# KiCad board OpenPLC_Hardware.kicad_pcb (continued)
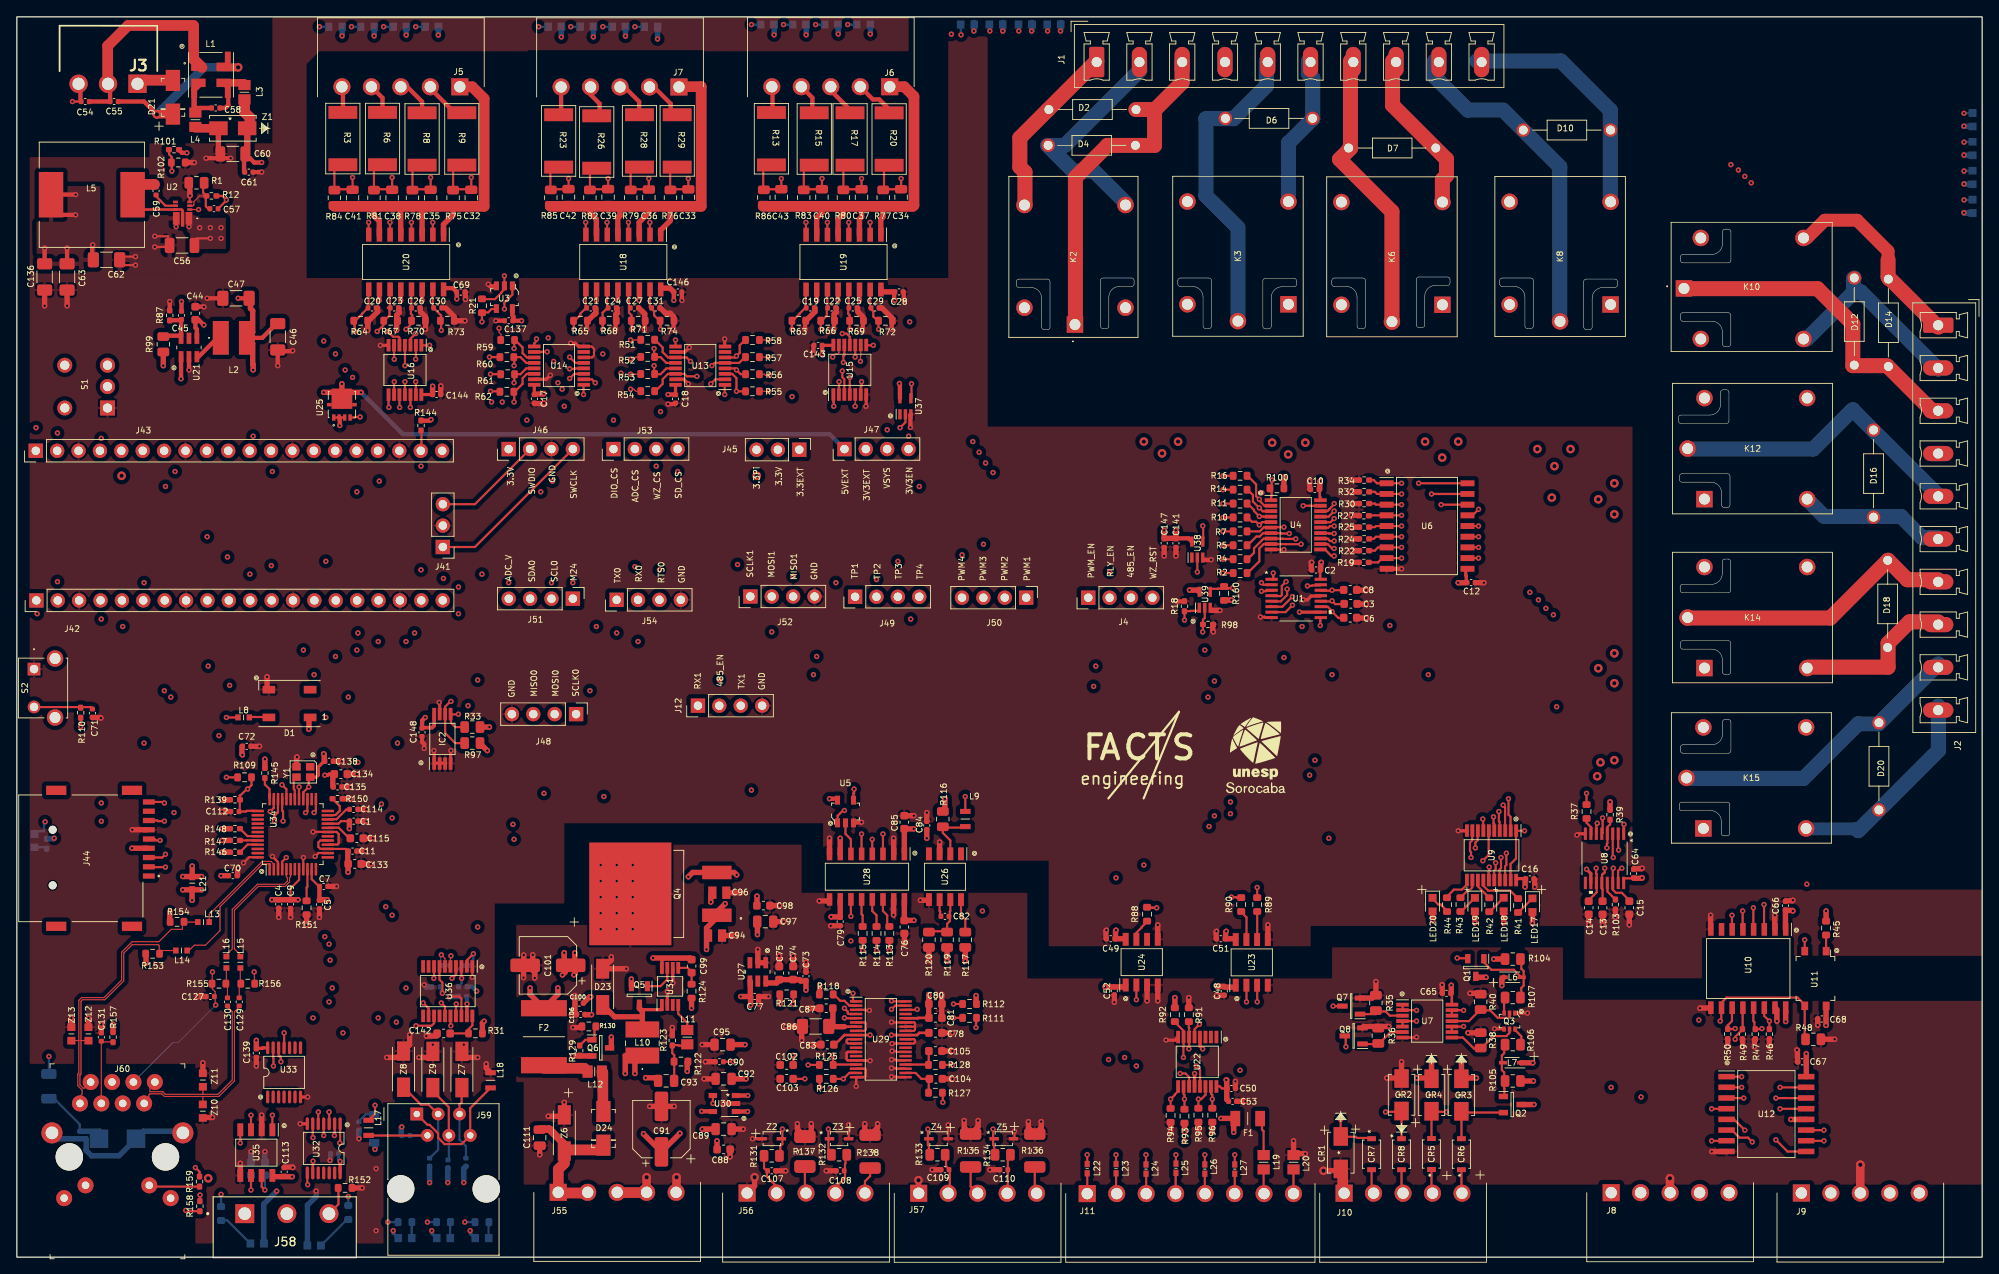
[diagram p0: board, top side]
## Placement (name value [footprint] x y rotation side) (continued)
R27  RC0402FR-0710KL  [R_0402_1005Metric_Pad0.72x0.64mm_HandSolder]  159.99 88.06 180 top
R28  CRM2512-JW-302ELF  [WF25P302JTL]  73.95 132.71 270 top
R29  CRM2512-JW-302ELF  [WF25P302JTL]  78.43 132.71 270 top
R30  RC0402FR-0710KL  [R_0402_1005Metric_Pad0.72x0.64mm_HandSolder]  160.02 89.51 180 top
R31  ERA-3AEB104V  [R_0603_1608Metric]  54.47 26.58 180 top
R32  RC0402FR-0710KL  [R_0402_1005Metric_Pad0.72x0.64mm_HandSolder]  160.02 90.9 180 top
R33  RR1220P-4751-D-M  [R_0805_2012Metric]  54.1 62.96 180 top
R34  RC0402FR-0710KL  [R_0402_1005Metric_Pad0.72x0.64mm_HandSolder]  160.02 92.3 180 top
R35  RC0805JR-071K2L  [R_0805_2012Metric]  161.41 30.2 270 top
R36  RC0805JR-071K2L  [R_0805_2012Metric]  161.7 26.3 270 top
R37  RC0603JR-070RL  [R_0603_1608Metric]  186.43 52.93 90 top
R38  RC0805JR-071K2L  [R_0805_2012Metric]  173.86 25.75 270 top
R39  RC0402FR-0710KL  [R_0402_1005Metric_Pad0.72x0.64mm_HandSolder]  189.23 52.55 270 top
R40  RC0805JR-071K2L  [R_0805_2012Metric]  173.86 30.32 270 top
R41  ERJ-3GEYJ471V  [R_0603_1608Metric]  178.3 41.77 90 top
R42  ERJ-3GEYJ471V  [R_0603_1608Metric]  174.88 41.86 90 top
R43  ERJ-3GEYJ471V  [R_0603_1608Metric]  171.46 41.88 90 top
R44  ERJ-3GEYJ471V  [R_0603_1608Metric]  169.86 41.87 90 top
R45  ERJ-3EKF6650V  [R_0603_1608Metric]  214.88 39.09 270 top
R46  RC0402FR-0710KL  [R_0402_1005Metric_Pad0.72x0.64mm_HandSolder]  208.15 26.49 90 top
R47  RC0402FR-0710KL  [R_0402_1005Metric_Pad0.72x0.64mm_HandSolder]  206.47 26.49 90 top
R48  ERJ-6ENF5761V  [R_0805_2012Metric]  213.36 25.88 0 top
R49  RC0402FR-0710KL  [R_0402_1005Metric_Pad0.72x0.64mm_HandSolder]  204.94 26.49 90 top
R50  RC0402FR-0710KL  [R_0402_1005Metric_Pad0.72x0.64mm_HandSolder]  203.2 26.5 90 top
R51  ERJ-3EKF4750V  [R_0603_1608Metric]  74.93 108.96 0 top
R52  ERJ-3EKF4750V  [R_0603_1608Metric]  74.93 106.93 0 top
R53  ERJ-3EKF4750V  [R_0603_1608Metric]  74.93 104.9 0 top
R54  ERJ-3EKF4750V  [R_0603_1608Metric]  74.93 102.86 0 top
R55  ERJ-3EKF4750V  [R_0603_1608Metric]  87.37 102.84 180 top
R56  ERJ-3EKF4750V  [R_0603_1608Metric]  87.37 104.87 180 top
R57  ERJ-3EKF4750V  [R_0603_1608Metric]  87.37 106.9 180 top
R58  ERJ-3EKF4750V  [R_0603_1608Metric]  87.37 108.94 180 top
R59  ERJ-3EKF4750V  [R_0603_1608Metric]  58.29 108.93 0 top
R60  ERJ-3EKF4750V  [R_0603_1608Metric]  58.2 106.9 0 top
R61  ERJ-3EKF4750V  [R_0603_1608Metric]  58.29 104.87 0 top
R62  ERJ-3EKF4750V  [R_0603_1608Metric]  58.2 102.79 0 top
R63  ERJ-3EKF1001V  [R_0603_1608Metric]  92.87 111.22 0 top
R64  ERJ-3EKF1001V  [R_0603_1608Metric]  40.84 111.22 0 top
R65  ERJ-3EKF1001V  [R_0603_1608Metric]  66.94 111.22 0 top
R66  ERJ-3EKF1001V  [R_0603_1608Metric]  96.3 111.22 0 top
R67  ERJ-3EKF1001V  [R_0603_1608Metric]  44.4 111.22 0 top
R68  ERJ-3EKF1001V  [R_0603_1608Metric]  70.37 111.22 0 top
R69  ERJ-3EKF1001V  [R_0603_1608Metric]  99.73 111.22 0 top
R70  ERJ-3EKF1001V  [R_0603_1608Metric]  47.7 111.22 0 top
R71  ERJ-3EKF1001V  [R_0603_1608Metric]  73.8 111.22 0 top
R72  ERJ-3EKF1001V  [R_0603_1608Metric]  103.16 111.22 0 top
R73  ERJ-3EKF1001V  [R_0603_1608Metric]  51.13 111.22 0 top
R74  ERJ-3EKF1001V  [R_0603_1608Metric]  77.23 111.22 0 top
R75  RC0805JR-071K2L  [R_0805_2012Metric]  51.81 125.83 90 top
R76  RC0805JR-071K2L  [R_0805_2012Metric]  77.63 125.85 90 top
R77  RC0805JR-071K2L  [R_0805_2012Metric]  102.9 125.85 90 top
R78  RC0805JR-071K2L  [R_0805_2012Metric]  46.99 125.83 90 top
R79  RC0805JR-071K2L  [R_0805_2012Metric]  72.91 125.85 90 top
R80  RC0805JR-071K2L  [R_0805_2012Metric]  98.17 125.85 90 top
R81  RC0805JR-071K2L  [R_0805_2012Metric]  42.41 125.83 90 top
R82  RC0805JR-071K2L  [R_0805_2012Metric]  68.06 125.85 90 top
R83  RC0805JR-071K2L  [R_0805_2012Metric]  93.46 125.85 90 top
R84  RC0805JR-071K2L  [R_0805_2012Metric]  37.72 125.83 90 top
R85  RC0805JR-071K2L  [R_0805_2012Metric]  63.42 125.85 90 top
R86  RC0805JR-071K2L  [R_0805_2012Metric]  88.72 125.86 90 top
R87  RC0402FR-0710KL  [R_0402_1005Metric_Pad0.72x0.64mm_HandSolder]  18.16 111.86 90 top
R88  RC0603JR-070RL  [R_0603_1608Metric]  134.24 40.74 90 top
R89  RC0603JR-070RL  [R_0603_1608Metric]  147.32 41.88 90 top
R90  RC0603JR-070RL  [R_0603_1608Metric]  145.41 41.88 90 top
R91  ERJ-3EKF1001V  [R_0603_1608Metric]  139.2 28.8 90 top
R92  ERJ-3EKF1001V  [R_0603_1608Metric]  137.54 28.8 90 top
R93  ERJ-3EKF1001V  [R_0603_1608Metric]  138.68 16.75 270 top
R94  ERJ-3EKF1001V  [R_0603_1608Metric]  137.03 16.84 270 top
R95  ERJ-3EKF1001V  [R_0603_1608Metric]  140.33 16.86 270 top
R96  ERJ-3EKF1001V  [R_0603_1608Metric]  141.98 16.86 270 top
R97  RR1220P-4751-D-M  [R_0805_2012Metric]  54.1 61.06 180 top
R98  RC0402FR-0710KL  [R_0402_1005Metric_Pad0.72x0.64mm_HandSolder]  141.47 75.15 0 top
R99  RR1220P-4532-D-M  [R_0805_2012Metric]  17.4 108.43 90 top
R100  RC0603JR-070RL  [R_0603_1608Metric]  149.66 91.32 0 top
R101  RC0402FR-0710KL  [R_0402_1005Metric_Pad0.72x0.64mm_HandSolder]  18.67 131.54 180 top
R102  ERJ-3EKF1001V  [R_0603_1608Metric]  19.17 130.02 0 top
R103  RC0402FR-0710KL  [R_0402_1005Metric_Pad0.72x0.64mm_HandSolder]  189.86 41.88 90 top
R104  ERJ-6ENF5761V  [R_0805_2012Metric]  177.67 35.4 0 top
R105  ERJ-6ENF5761V  [R_0805_2012Metric]  177.67 20.93 180 top
R106  RC0805JR-071K2L  [R_0805_2012Metric]  177.67 25.24 180 top
R107  RC0805JR-071K2L  [R_0805_2012Metric]  177.67 30.83 0 top
R108  RC0402FR-07150RL  [R_0402_1005Metric_Pad0.72x0.64mm_HandSolder]  3.55 49.12 270 bottom
R109  RC0603JR-070RL  [R_0603_1608Metric]  27.05 56.99 0 top
R110  ERA-2AED331X  [R_0402_1005Metric_Pad0.72x0.64mm_HandSolder]  7.58 64.67 270 top
R111  RC0603FR-0733RL  [R_0603_1608Metric]  113.15 28.42 180 top
R112  ERJ-3EKF4992V  [R_0603_1608Metric]  113.15 30.07 180 top
R113  RC0603FR-0733RL  [R_0603_1608Metric]  103.63 38.45 90 top
R114  RC0603FR-0733RL  [R_0603_1608Metric]  102.1 38.45 90 top
R115  RC0603FR-0733RL  [R_0603_1608Metric]  100.45 38.45 90 top
R116  RR1220P-4751-D-M  [R_0805_2012Metric]  109.98 52.03 270 top
R117  RR1220P-682-D  [R_0805_2012Metric]  112.65 37.7 270 top
R118  ERJ-3EKF4992V  [R_0603_1608Metric]  96.14 31.21 0 top
R119  RR1220P-682-D  [R_0805_2012Metric]  110.49 37.7 90 top
R120  RR1220P-1151-D-M  [R_0805_2012Metric]  108.33 37.7 270 top
R121  ERJ-3EKF4992V  [R_0603_1608Metric]  91.44 31.21 0 top
R122  CPF0603B40K2E1  [R_0603_1608Metric]  78.88 23.23 0 top
R123  RC0402FR-0710KL  [R_0402_1005Metric_Pad0.72x0.64mm_HandSolder]  77.85 25.74 90 top
R124  ERJ-3EKF7502V  [R_0603_1608Metric]  80.13 31.59 90 top
R125  ERJ-3EKF1001V  [R_0603_1608Metric]  96.14 22.83 180 top
R126  ERJ-3EKF1001V  [R_0603_1608Metric]  96.14 21.18 180 top
R127  ERJ-3EKF1001V  [R_0603_1608Metric]  109.1 19.53 0 top
R128  ERJ-3EKF1001V  [R_0603_1608Metric]  109.1 22.83 0 top
R129  RC0402FR-0710KL  [R_0402_1005Metric_Pad0.72x0.64mm_HandSolder]  66.85 24.54 90 top
R130  ERJ-3EKF4992V  [R_0603_1608Metric]  67.94 27.4 180 top
R131  ERJ-6ENF1000V  [R_0805_2012Metric]  89.66 12.04 180 top
R132  ERJ-6ENF1000V  [R_0805_2012Metric]  97.66 12.16 0 top
R133  ERJ-6ENF1000V  [R_0805_2012Metric]  109.34 12.16 0 top
R134  ERJ-6ENF1000V  [R_0805_2012Metric]  117.09 12.16 0 top
R135  TNPW1206250RBEEN  [R_0402_1005Metric_Pad0.72x0.64mm_HandSolder#2]  113.28 12.67 270 top
R136  TNPW1206250RBEEN  [R_0402_1005Metric_Pad0.72x0.64mm_HandSolder#2]  120.9 12.67 270 top
R137  TNPW1206250RBEEN  [R_0402_1005Metric_Pad0.72x0.64mm_HandSolder#3]  93.6 12.54 270 top
R138  TNPW1206250RBEEN  [R_0402_1005Metric_Pad0.72x0.64mm_HandSolder#2]  101.34 12.54 270 top
R139  RC0402FR-0710KL  [R_0402_1005Metric_Pad0.72x0.64mm_HandSolder]  25.91 54.33 0 top
R140  RC0603JR-07100RL  [R_0603_1608Metric]  39.37 5.3 270 bottom
R141  RC0603JR-07100RL  [R_0603_1608Metric]  24.25 5.18 270 bottom
R142  RC0603JR-07100RL  [R_0603_1608Metric]  46.1 4.16 0 bottom
R143  RC0603JR-07100RL  [R_0603_1608Metric]  50.67 4.16 0 bottom
R144  RC0402FR-0710KL  [R_0402_1005Metric_Pad0.72x0.64mm_HandSolder]  48 98.78 270 top
R145  RC0402FR-0710KL  [R_0402_1005Metric_Pad0.72x0.64mm_HandSolder]  29.46 57.5 270 top
R146  RC0402FR-0710KL  [R_0402_1005Metric_Pad0.72x0.64mm_HandSolder]  25.91 48.09 0 top
R147  RC0402FR-0710KL  [R_0402_1005Metric_Pad0.72x0.64mm_HandSolder]  25.91 49.5 0 top
R148  RC0402FR-0710KL  [R_0402_1005Metric_Pad0.72x0.64mm_HandSolder]  25.91 50.9 0 top
R149  RC0603JR-07100RL  [R_0603_1608Metric]  55.24 4.16 0 bottom
R150  RC0402FR-0710KL  [R_0402_1005Metric_Pad0.72x0.64mm_HandSolder]  38.1 54.45 180 top
R151  RC0603FR-0712K4L  [R_0603_1608Metric]  34.41 41.5 270 top
R152  RC0603JR-070RL  [R_0603_1608Metric]  38.99 8.23 180 top
R153  ERJ-3EKF49R9V  [R_0603_1608Metric]  16.13 36.04 180 top
R154  ERJ-3EKF49R9V  [R_0603_1608Metric]  19.03 39.83 180 top
R155  ERJ-3EKF49R9V  [R_0603_1608Metric]  24 32.48 180 top
R156  ERJ-3EKF49R9V  [R_0603_1608Metric]  27.43 32.48 0 top
R157  RK73H1ETTP10R0F  [R_0402_1005Metric_Pad0.72x0.64mm_HandSolder]  11.43 26.13 270 top
R158  ERA-2AED331X  [R_0402_1005Metric_Pad0.72x0.64mm_HandSolder]  21.74 6.06 90 top
R159  ERA-2AED331X  [R_0402_1005Metric_Pad0.72x0.64mm_HandSolder]  21.7 8.98 90 top
R160  RC0603JR-070RL  [R_0603_1608Metric]  143.38 78.84 270 top
S1  200MSP2T3B2M6QE  [Toggle_Switch_200MSP2T3B2M6QE]  10.77 100.86 90 top
S2  -  [TL1105RF250Q]  2.04 69.85 270 top
U1  74AHC595  [SN74AHC595PW]  151.95 78.24 0 top
U2  AP63356DV-7  [AP63356DV7]  19.69 124.06 180 top
U3  SN74LVC1G125DBVR  [SOT-753]  57.91 114.02 180 top
U4  SN74LVC540APWR  [SOP65P640X120-20N]  151.89 86.98 0 top
U5  SN74LVC1G125DBVR  [SOT-753]  98.42 52.93 0 top
U6  TBD62083AFWG,EL  [SOIC127P1030X265-18N]  167.49 86.84 0 top
U7  SN74AHC08PW  [SOP65P640X120-14N]  167.51 28.04 0 top
U8  74AHC595  [SN74AHC595PW]  188.57 47.37 270 top
U9  SN74LVC541APWR  [SOP65P640X120-20N]  175.15 47.73 270 top
U10  SI8640AB-B-IS  [SOIC127P600X175-16N#2]  205.64 36.23 270 top
U11  LTV-356T  [SMD-4_4.4x3.85mm_P2.54mm]  213.62 33.1 270 top
U12  SN75LBC172A16DW  [SOIC127P1030X265-16N]  207.79 17 0 top
U13  SN74HC165PWR  [SOP65P640X120-16N]  81.17 105.89 180 top
U14  SN74HC165PWR  [SOP65P640X120-16N]  64.39 105.89 180 top
U15  74LCX14MTCX  [SOP65P640X120-14N]  98.93 105.4 90 top
U16  74LCX14MTCX  [SOP65P640X120-14N]  46.1 105.38 270 top
U18  TLP292-4_LGBTP,E  [SOIC127P700X230-16N]  72.03 118.2 270 top
U19  TLP292-4_LGBTP,E  [SOIC127P700X230-16N]  98.18 118.19 270 top
U20  TLP292-4_LGBTP,E  [SOIC127P700X230-16N]  46.24 118.2 270 top
U21  AP3402KTTR-G1  [SOT95P280X100-6N]  20.44 108.05 90 top
U22  ST26C32ABTR  [SOP65P640X120-16N]  140.2 23.21 270 top
U23  SI8620BB-B-ISR  [SOIC127P600X175-8N]  146.67 35.01 90 top
U24  SI8620BB-B-ISR  [SOIC127P600X175-8N]  133.6 35.04 90 top
U25  STL9P3LLH6  [TRANS_STL9P3LLH6]  38.61 101.26 90 top
U26  FOD2742B  [SOIC127P594X363-8N]  110.23 45.18 270 top
U27  LT6654AHS6-4.096TRMPBF  [SOT95P280X100-6N]  88.01 33.88 270 top
U28  SI8641BB-B-IS1  [SOIC127P600X175-16N]  100.97 45.19 270 top
U29  ADS8688IDBTR  [SOP50P640X120-38N]  102.61 25.88 0 top
U30  LP2992IM5-3.3/NOPB  [LP2992IM5-3.3&slash_NOPB]  84.04 18.25 180 top
U31  LM3485MMX_NOPB  [SOP65P490X110-8N]  77.58 32.16 90 top
U32  74LVX04M  [SOIC127P600X175-14N]  36.45 12.92 270 top
U33  74LVX32M  [SOIC127P600X175-14N#2]  31.74 21.95 0 top
U34  W5500  [LQFP-48_7x7mm_P0.5mm]  32.77 50.24 90 top
U35  ADM3485EARZ  [SOIC127P600X175-8N]  28.45 12.42 270 top
U36  ADM3222ARUZ  [SOP65P640X120-20N]  51.18 31.59 270 top
U37  SN74LVC1G14QDCKRQ1  [SOT65P210X110-5N]  105.53 101.06 90 top
U38  SN74LVC1G14QDCKRQ1  [SOT65P210X110-5N]  140.21 84.04 90 top
U39  SN74AUP1T02DCKR  [SOT65P210X110-5N]  141.09 78.08 90 top
Y1  -  [OSC25M]  34.07 57.33 180 top
Z1  SMAJ30CA-E3/61  [SMAJ30CA-E3&slash_61]  25.65 134.08 180 top
Z2  -  [SP4022-01FTG-C]  89.66 14.07 180 top
Z3  -  [SP4022-01FTG-C]  97.66 14.07 0 top
Z4  -  [SP4022-01FTG-C]  109.47 14.07 0 top
Z5  -  [SP4022-01FTG-C]  117.22 14.07 0 top
Z6  SMAJ33CA-TR  [DIONM5226X220N]  65.02 14.75 270 top
Z7  SMAJ10CA  [DIONM5226X256N]  52.86 22.29 90 top
Z8  SMAJ10CA  [DIONM5226X256N]  45.93 22.33 90 top
Z9  SMAJ10CA  [DIONM5226X256N]  49.41 22.29 90 top
Z10  0603ESDA2-TR2  [DIONC1608X70N]  22.09 17.34 90 top
Z11  0603ESDA2-TR2  [DIONC1608X70N]  22.09 21.04 270 top
Z12  0603ESDA2-TR2  [DIONC1608X70N]  8.51 26.51 270 top
Z13  0603ESDA2-TR2  [DIONC1608X70N]  6.47 26.51 270 top
Z14  P6SMB6.8CA  [DIONM5436X261N]  11.96 14.07 0 bottom

## Library data of the parts
C1 C2 C4 C5 C7 C9-C12 C17-C31 C48-C55 C58 C59 C61 C64-C73 C77 C79 C82 C84 C100 C106-C110 C112 C113 C116-C120 C126 C128 C131 C135 C137 C139-C141 C143 C144 C146-C148 = -: Description: Multilayer Ceramic Capacitors MLCC - SMD/SMT 0402 0.1uF 50volts X7R 10%; Arrow Price/Stock: https://www.arrow.com/en/products/grm155r71h104ke14d/murata-manufacturing?region=nac; Height: 0.55; Manufacturer_Name: Murata Electronics; Mouser Part Number: 81-GRM155R71H104KE4D; Mouser Price/Stock: https://www.mouser.co.uk/ProductDetail/Murata-Electronics/GRM155R71H104KE14D?qs=2UZY3JfgLCy9gG9icKV9Yg%3D%3D
C32-C43 C111 = -: Description: Ceramic  SMT capacitor 100nF 100Vdc Murata 100nF Multilayer Ceramic Capacitor (MLCC) 100 V dc +/-10% X7R dielectric GCM Surface Mount max op. temp. +125C; Arrow Price/Stock: https://www.arrow.com/en/products/gcm21br72a104ka37l/murata-manufacturing?region=nac; Height: 1.4; Manufacturer_Name: Murata Electronics; Mouser Part Number: 81-GCM21BR72A104KA7L; Mouser Price/Stock: https://www.mouser.co.uk/ProductDetail/Murata-Electronics/GCM21BR72A104KA37L?qs=aEuGZpxfbxU57i7kalIPTw%3D%3D
C44 C81 C133 C134 = -: Description: Cap Ceramic 10uF 10V X5R 10% Pad SMD 0603 85C T/R; Arrow Price/Stock: https://www.arrow.com/en/products/grm188r61a106ke69j/murata-manufacturing; Height: 0.9; Manufacturer_Name: Murata Electronics; Mouser Part Number: 81-GRM188R61A106KE9J; Mouser Price/Stock: https://www.mouser.co.uk/ProductDetail/Murata-Electronics/GRM188R61A106KE69J?qs=QzBtWTOodeXymGnrlr72Ug%3D%3D
C45 = -: Description: Murata 0402 GRM 27pF Ceramic Multilayer Capacitor, 50 V dc, +125C, C0G Dielectric, +/-5%; Arrow Part Number: GRM1555C1H270JA01D; Arrow Price/Stock: https://www.arrow.com/en/products/grm1555c1h270ja01d/murata-manufacturing?region=nac; Height: 0.55; Manufacturer_Name: Murata Electronics; Manufacturer_Part_Number: GRM1555C1H270JA01D; Mouser Part Number: 81-GRM1555C1H270JA1D; Mouser Price/Stock: https://www.mouser.co.uk/ProductDetail/Murata-Electronics/GRM1555C1H270JA01D?qs=4k9rjS6ZRl6bZIQOxCwSeQ%3D%3D
C46 C47 C86 = -: Description: 22uF MLCC 25V dc +/-10% SMD; Arrow Part Number: GRM31CR61E226KE15L; Arrow Price/Stock: https://www.arrow.com/en/products/grm31cr61e226ke15l/murata-manufacturing?region=europe; Height: 1.8; Manufacturer_Name: Murata Electronics; Mouser Part Number: 81-GRM31CR61E226KE5L; Mouser Price/Stock: https://www.mouser.co.uk/ProductDetail/Murata-Electronics/GRM31CR61E226KE15L?qs=Uw8ySfEHS7KfA6t3BpaUDg%3D%3D
C56 C60 = -: Description: 10UF,50V,10%,Ceramic,X5R,1206; Arrow Part Number: GRM31CR61H106KA12L; Arrow Price/Stock: https://www.arrow.com/en/products/grm31cr61h106ka12l/murata-manufacturing?region=europe; Height: 1.8; Manufacturer_Name: Murata Electronics; Manufacturer_Part_Number: GRM31CR61H106KA12L; Mouser Part Number: 81-GRM31CR61H106KA2L; Mouser Price/Stock: https://www.mouser.co.uk/ProductDetail/Murata-Electronics/GRM31CR61H106KA12L?qs=O5cugoO6nwcwnTG54Wty7w%3D%3D
C62 C63 C136 = -: Description: Murata 1206 (3216M) 22uF MLCC 25V dc +/-10% SMD GRM31CR61E226KE15L; Arrow Part Number: GRM31CR61E226KE15L; Arrow Price/Stock: https://www.arrow.com/en/products/grm31cr61e226ke15l/murata-manufacturing?region=europe; Height: 1.8; Manufacturer_Name: Murata Electronics; Manufacturer_Part_Number: GRM31CR61E226KE15L; Mouser Part Number: 81-GRM31CR61E226KE5L; Mouser Price/Stock: https://www.mouser.co.uk/ProductDetail/Murata-Electronics/GRM31CR61E226KE15L?qs=Uw8ySfEHS7KfA6t3BpaUDg%3D%3D
C74 C75 C115 = -: Description: Multilayer Ceramic Capacitors MLCC - SMD/SMT 4.7uF 10V X5R +/-10% 0603 Gen Purp; Height: 0.9; Manufacturer_Name: TAIYO YUDEN; Manufacturer_Part_Number: LMK107BJ475KA-T; Mouser Part Number: 963-LMK107BJ475KA-T; Mouser Price/Stock: https://www.mouser.co.uk/ProductDetail/Taiyo-Yuden/LMK107BJ475KA-T?qs=PzICbMaShUfCoRlxZeLF0g%3D%3D
C76 C78 C80 C83 C85 C87 C88 C98 C142 = -: Description: AVX 1uF  /-10% 10 V dc X5R Dielectric SMD Ceramic Multilayer Capacitor 0603; Arrow Price/Stock: https://www.arrow.com/en/products/0603zd105kat2a/avx; Height: 0.9; Manufacturer_Name: AVX; Mouser Part Number: 581-0603ZD105K; Mouser Price/Stock: https://www.mouser.co.uk/ProductDetail/AVX/0603ZD105KAT2A?qs=9PmLU43%252BWwW9M7%2FQGmdczg%3D%3D
C89 C92 C95 C97 = -: Description: Multilayer Ceramic Capacitors MLCC - SMD/SMT 4.7uF 25V 20%; Height: 1.35; Manufacturer_Name: Panasonic; Mouser Part Number: 667-ECJ-2FB1E475M; Mouser Price/Stock: https://www.mouser.com/Search/Refine.aspx?Keyword=667-ECJ-2FB1E475M
C90 C114 C127 C129 C130 C138 = -: Description: MULTILAYER CERAMIC CHIP CAPACITORS, 1005, Commercial grade, general (Up to 75V); Arrow Price/Stock: https://www.arrow.com/en/products/c1005x7r1e103k050bb/tdk?region=nac; Height: 0.55; Manufacturer_Name: TDK; Mouser Part Number: 810-C1005X7R1E103K; Mouser Price/Stock: https://www.mouser.co.uk/ProductDetail/TDK/C1005X7R1E103K050BB?qs=NRhsANhppD8434p4mMcNYg%3D%3D
C91 = -: Description: Al Cap WX series SMT 100uF 16V Nichicon 100uF 16 V Aluminium Electrolytic Capacitor, WX Series 2000h 6.3 Dia. x 5.5mm; Arrow Price/Stock: https://www.arrow.com/en/products/uwx1c101mcl1gb/nichicon?region=europe; Manufacturer_Name: Nichicon; Mouser Part Number: 647-UWX1C101MCL1; Mouser Price/Stock: https://www.mouser.co.uk/ProductDetail/Nichicon/UWX1C101MCL1GB?qs=7D1LtPJG0i2nFwCSiru1OQ%3D%3D
C93 = -: Description: AVX 0805 Standard 470pF Ceramic Multilayer Capacitor, 50 V dc, +125; Height: 0.94; Manufacturer_Name: AVX; Mouser Part Number: 581-08055A471J; Mouser Price/Stock: https://www.mouser.co.uk/ProductDetail/AVX/08055A471JAT2A?qs=puY0Jq7LBATs%2FWzMvXMJew%3D%3D
C94 C96 = -: Description: Multilayer Ceramic Capacitors MLCC - SMD/SMT; Height: 1.45; Manufacturer_Name: Murata Electronics; Mouser Part Number: 81-GJ821BR61E106KE1L; Mouser Price/Stock: https://www.mouser.co.uk/ProductDetail/Murata-Electronics/GJ821BR61E106KE11L?qs=qkDYIeTQ%252BEnBuHnNb4Un%2FQ%3D%3D
C99 C102-C105 C121 C123 = -: Description: .001UF,50V,10%,Ceramic,X7R,0603
C122 C124 C125 = -: Description: Multilayer Ceramic Capacitors MLCC - SMD/SMT; Height: 0.55; Manufacturer_Name: Murata Electronics; Manufacturer_Part_Number: GRM1552C1H470JZ01C; Mouser Part Number: N/A; Mouser Price/Stock: https://www.mouser.co.uk/ProductDetail/Murata-Electronics/GRM1552C1H470JZ01C?qs=UOvNgVTuGCr1py1GlMnpYQ%3D%3D
C132 = -: Description: Ceramic Multilayer Capacitors; Arrow Price/Stock: https://www.arrow.com/en/products/12061a222jat2a/avx; Height: 1.52; Manufacturer_Name: AVX; Mouser Part Number: 581-12061A222JAT2A; Mouser Price/Stock: https://www.mouser.com/Search/Refine.aspx?Keyword=581-12061A222JAT2A
D2 D4 D6 D7 D10 D12 D14 D16 D18 D20 = -: MANUFACTURER: Taiwan Semiconductor; MAXIMUM_PACKAGE_HEIGHT: 2.70 mm; PARTREV: N2104; STANDARD: IPC-7351B
D21 = -: Description: DIODE SCHOTTKY 40V 2A SMA; Category: Discrete Semiconductor Products; DK_Datasheet_Link: https://www.diodes.com/assets/Datasheets/ds13004.pdf; DK_Detail_Page: /product-detail/en/diodes-incorporated/B240A-13-F/B240A-FDICT-ND/717810; Digi-Key_PN: B240A-FDICT-ND; Family: Diodes - Rectifiers - Single; Manufacturer: Diodes Incorporated; Status: Active
D23 = -: Description: DIODES INC. - B1100-13-F - DIODE, REC, SCHOTTKY, 100V, 1A, SMA; Arrow Price/Stock: https://www.arrow.com/en/products/b1100-13-f/diodes-incorporated?region=nac; Height: 2.3; Manufacturer_Name: Diodes Inc.; Mouser Part Number: 621-B1100-F; Mouser Price/Stock: https://www.mouser.co.uk/ProductDetail/Diodes-Incorporated/B1100-13-F?qs=T8e3FA69jPlr%2FjoVfgtgdA%3D%3D
D24 = -: Description: DIODE SCHOTTKY 40V 3A SMA; Arrow Part Number: MBRS340T3G; Arrow Price/Stock: https://www.arrow.com/en/products/mbrs340t3g/on-semiconductor?region=nac; Category: Discrete Semiconductor Products; DK_Datasheet_Link: https://www.diodes.com/assets/Datasheets/ds30891.pdf; DK_Detail_Page: /product-detail/en/diodes-incorporated/B340A-13-F/B340A-FDICT-ND/725054; Digi-Key_PN: B340A-FDICT-ND; Family: Diodes - Rectifiers - Single; Height: 2.61; MPN: B340A-13-F; Manufacturer: Diodes Incorporated; Manufacturer_Name: onsemi; Mouser Part Number: 863-MBRS340T3G; Mouser Price/Stock: https://www.mouser.co.uk/ProductDetail/onsemi/MBRS340T3G?qs=3JMERSakeboCr3wxBgfY3w%3D%3D; Status: Active
D25 = -: Description: Schottky Rectifier 0.5A 30V SOD-123 ON Semiconductor MBR0530T1G Schottky Diode, 0.5A, 30V, 2-Pin SOD-123; Arrow Part Number: MBR0530T1G; Arrow Price/Stock: https://www.arrow.com/en/products/mbr0530t1g/on-semiconductor?region=nac; Height: 1.35; Manufacturer_Name: onsemi; Mouser Part Number: 863-MBR0530T1G; Mouser Price/Stock: https://www.mouser.co.uk/ProductDetail/onsemi/MBR0530T1G?qs=3JMERSakeboS%2FFOxJUMWeg%3D%3D
F1 = -: Description: Resettable POLYFUSE 100A 16V Littelfuse 0.25A Surface Mount Resettable Fuse, 16 V dc; Arrow Price/Stock: https://www.arrow.com/en/products/1206l025yr/littelfuse?region=europe; Height: 1; Manufacturer_Name: LITTELFUSE; Mouser Part Number: 576-1206L025YR; Mouser Price/Stock: https://www.mouser.co.uk/ProductDetail/Littelfuse/1206L025YR?qs=PWhpLWeW8wedgRREX8zxcg%3D%3D
F2 = -: Description: Resettable Fuses - PPTC 1A 60V PPTC 2920 SMD; Arrow Price/Stock: https://www.arrow.com/en/products/0zcf0100af2a/bel-group; Height: 1.7; Manufacturer_Name: BelFuse; Mouser Part Number: 530-0ZCF0100AF2A; Mouser Price/Stock: https://www.mouser.co.uk/ProductDetail/Bel-Fuse/0ZCF0100AF2A?qs=jyPKP7YLNfDyY7GbSCl%252BVQ%3D%3D
IC2 = -: Description: M24C01-RDW6TP, Serial EEPROM Memory 1kbit, Serial-I2C, 900ns 1.8  5.5 V, 8-Pin TSSOP; Arrow Price/Stock: https://www.arrow.com/en/products/m24c01-rdw6tp/stmicroelectronics?region=nac; Height: 1.2; Manufacturer_Name: STMicroelectronics; Mouser Part Number: 511-M24C01-RDW6TP; Mouser Price/Stock: https://www.mouser.co.uk/ProductDetail/STMicroelectronics/M24C01-RDW6TP?qs=%252B9pWl1iD4MXEhO%2F3I5elLw%3D%3D
K2 K3 K6 K8 K10 K12 K14 K15 = -: Description: General Purpose Relays 10A, General Purpose Relay; Height: 15.5; Manufacturer_Name: Song Chuan; Manufacturer_Part_Number: 833H-1C-F-S-24VDC; Mouser Part Number: 893-833H1CFS24VDC; Mouser Price/Stock: https://www.mouser.com/Search/Refine.aspx?Keyword=893-833H1CFS24VDC
L1 = -: MANUFACTURER: Murata Electronics; MAXIMUM_PACKAGE_HEIGHT: 2.5 mm; PARTREV: N/A; STANDARD: Manufacturer recommendations
L3 = -: Description: MPZ series 0805 SMD chip bead 330R 2.5A TDK High Current Chip Power Line Bead, 2 x 1.25 x 0.85mm; Arrow Price/Stock: https://www.arrow.com/en/products/mpz2012s331at000/tdk?region=europe; Datasheet_1: https://product.tdk.com/system/files/dam/doc/product/emc/emc/beads/catalog/beads_commercial_power_mpz2012_en.pdf; Footprint_1: INDC2012X105N; Height: 1.05; Manufacturer_Name: TDK; Mouser Part Number: 810-MPZ2012S331AT000; Mouser Price/Stock: https://www.mouser.co.uk/ProductDetail/TDK/MPZ2012S331AT000?qs=i5fQALbACss9SCpS1lr2Dg%3D%3D; Reference_1: FB
L4 L11 L12 L19 L20 = -: Description: MPZ series 0805 SMD chip bead 330R 2.5A TDK High Current Chip Power Line Bead, 2 x 1.25 x 0.85mm; Arrow Part Number: MPZ2012S331AT; Arrow Price/Stock: https://www.arrow.com/en/products/mpz2012s331at/tdk; Height: 1.05; Manufacturer_Name: TDK; Manufacturer_Part_Number: MPZ2012S331AT; Mouser Part Number: N/A; Mouser Price/Stock: http://www.mouser.com/Search/ProductDetail.aspx?qs=cdpe0LUyr8BsVfVjhc2Cow%3d%3d
L6 L7 = -: Description: Diodes Inc, 18.5V Zener Diode 2.5% 500 mW SMT 2-Pin SOD-323F; Arrow Price/Stock: https://www.arrow.com/en/products/ddz20asf-7/diodes-incorporated; Height: 0.75; Manufacturer_Name: Diodes Inc.; Mouser Part Number: 621-DDZ20ASF-7; Mouser Price/Stock: https://www.mouser.com/Search/Refine.aspx?Keyword=621-DDZ20ASF-7
L8 L21 = -: Description: BLM18_N1D Series EMI Suppression Filter 220+/-25% at 100MHz 250mA @85; Arrow Price/Stock: https://www.arrow.com/en/products/blm18bd221sn1d/murata-manufacturing; Height: 0.95; Manufacturer_Name: Murata Electronics; Mouser Part Number: 81-BLM18BD221SN1D; Mouser Price/Stock: https://www.mouser.com/Search/Refine.aspx?Keyword=81-BLM18BD221SN1D
L9 = -: Description: Murata Ferrite Bead (Chip Ferrite Bead), 2 x 1.25 x 0.85mm (0805 (2012M)), 47 impedance at 100 MHz; Arrow Price/Stock: https://www.arrow.com/en/products/blm21ag471sn1d/murata-manufacturing?region=nac; Height: 1.05; Manufacturer_Name: Murata Electronics; Mouser Part Number: 81-BLM21AG471SN1D; Mouser Price/Stock: https://www.mouser.co.uk/ProductDetail/Murata-Electronics/BLM21AG471SN1D?qs=fV03a8A5lZVO%252B9B%252BC47CPg%3D%3D
L13-L16 = -: Description: BLM18_N1D Series EMI Suppression Filter 33+/-25% at 100MHz 3A @85; Arrow Price/Stock: https://www.arrow.com/en/products/blm18pg330sn1d/murata-manufacturing?region=nac; Height: 0.95; Manufacturer_Name: Murata Electronics; Mouser Part Number: 81-BLM18PG330SN1D; Mouser Price/Stock: https://www.mouser.co.uk/ProductDetail/Murata-Electronics/BLM18PG330SN1D?qs=4Avc3lXqH4bdltMAIp8Scg%3D%3D
L17 L18 = -: Description: Murata Ferrite Bead (Chip Ferrite Bead), 2 x 1.25 x 0.85mm (805), 60 impedance at 100 MHz; Arrow Price/Stock: https://www.arrow.com/en/products/blm21pg600sn1d/murata-manufacturing?region=europe; Height: 1.05; Manufacturer_Name: Murata Electronics; Mouser Part Number: 81-BLM21P600S; Mouser Price/Stock: https://www.mouser.co.uk/ProductDetail/Murata-Electronics/BLM21PG600SN1D?qs=LbqjZSvnDswFXSg06XQ50A%3D%3D
L22-L27 = -: Description: Signal Line Ferrite Bead 0402 (1005 Metric) 250mA 1.1Ohm; Arrow Price/Stock: https://www.arrow.com/en/products/blm15hg102sn1d/murata-manufacturing?region=nac; Height: 0.55; Manufacturer_Name: Murata Electronics; Mouser Part Number: 81-BLM15HG102SN1D; Mouser Price/Stock: https://www.mouser.co.uk/ProductDetail/Murata-Electronics/BLM15HG102SN1D?qs=0VEDk56ETTrZdRaCPp1njw%3D%3D
LED2 LED3 LED6 LED8 LED10 LED11 LED14 LED15 LED17-LED38 = -: Description: Top-emitting 0603 (1608) HT-191 Series; Height: 0.6; Manufacturer_Name: Harvatek
Q1 Q2 = -: Datasheet_1: https://www.diodes.com/assets/Datasheets/DMP6350SQ.pdf; Footprint_1: SOT96P240X110-3N; Height: 1.1; Manufacturer_Name: Diodes Inc.; Mouser Part Number: 621-DMP6350SQ-7; Mouser Price/Stock: https://www.mouser.co.uk/ProductDetail/Diodes-Incorporated/DMP6350SQ-7?qs=0lSvoLzn4L9E2rqiW%2FUVgw%3D%3D; Reference_1: Q
Q3 = -: Description: MOSFET 2N-CH 60V 0.115A SC70-6; Category: Discrete Semiconductor Products; DK_Datasheet_Link: https://www.onsemi.com/pub/Collateral/2N7002DW-D.PDF; DK_Detail_Page: /product-detail/en/on-semiconductor/2N7002DW/2N7002DWCT-ND/1785790; Digi-Key_PN: 2N7002DWCT-ND; Family: Transistors - FETs, MOSFETs - Arrays; Manufacturer: ON Semiconductor; Status: Active
Q4 = -: Description: L7805CD2T-TR, Linear Voltage Regulator, 1.5A 5 V, 3-Pin D2PAK; Arrow Price/Stock: https://www.arrow.com/en/products/l7805cd2t-tr/stmicroelectronics?region=nac; Height: 4.56; Manufacturer_Name: STMicroelectronics; Mouser Part Number: 511-L7805CD2T-TR; Mouser Price/Stock: https://www.mouser.co.uk/ProductDetail/STMicroelectronics/L7805CD2T-TR?qs=8tkG3v2%2F4sGtQPO74MZjHw%3D%3D
Q5 = -: Description: Trans MOSFET P-CH 60V 1.25A 3-SuperSOT; Arrow Part Number: FDN5618P; Arrow Price/Stock: https://www.arrow.com/en/products/fdn5618p/on-semiconductor; Height: 1.12; Manufacturer_Name: onsemi; Mouser Part Number: 512-FDN5618P; Mouser Price/Stock: https://www.mouser.co.uk/ProductDetail/onsemi-Fairchild/FDN5618P?qs=CzJHWN52K%2FUHSUQJ8zgbDg%3D%3D
Q6 = -: Description: Diodes Inc MMBT2907A-7-F PNP Bipolar Transistor, -600 mA, -60 V, 3-Pin SOT-23; Arrow Price/Stock: https://www.arrow.com/en/products/mmbt2907a-7-f/diodes-incorporated?region=europe; Height: 1; Manufacturer_Name: Diodes Inc.; Mouser Part Number: 621-MMBT2907A-F; Mouser Price/Stock: https://www.mouser.co.uk/ProductDetail/Diodes-Incorporated/MMBT2907A-7-F?qs=nzdy8YbEw1%252BnciVJrv5MLg%3D%3D
Q7 Q8 = -: Arrow Price/Stock: https://www.arrow.com/en/products/2n7002l/on-semiconductor?region=europe; Datasheet_1: http://www.onsemi.com/pub/Collateral/318-08.PDF; Footprint_1: SOT96P237X111-3N; Height: 1.11; Manufacturer_Name: onsemi; Mouser Part Number: 512-2N7002L; Mouser Price/Stock: https://www.mouser.co.uk/ProductDetail/onsemi-Fairchild/2N7002L?qs=C8E66ftkQtwY2xWJIiLLvA%3D%3D; Reference_1: Q
R1 R33 R97 R116 = -: Description: RES SMD 4.75KOHM 0.5% 1/10W 0805; Height: 0.5; Manufacturer_Name: Susumu
R18 R87 R98 R101 R103 R123 R129 R139 R144-R148 R150 = -: Description: YAGEO (PHYCOMP) - RC0402FR-0710KL. - RES, THICK FILM, 10K, 1%, 0.0625W, 0402; Arrow Price/Stock: https://www.arrow.com/en/products/rc0402fr-0710kl/yageo?region=europe; Height: 0.4; Manufacturer_Name: KEMET; Mouser Part Number: 603-RC0402FR-0710KL; Mouser Price/Stock: https://www.mouser.co.uk/ProductDetail/YAGEO/RC0402FR-0710KL?qs=I1mnnYJTTsxUoNwrUsQExA%3D%3D
R21 R37 R88-R90 R100 R109 R152 R160 = -: Description: YAGEO (PHYCOMP) - RC0603JR-070RL - RES, THICK FILM, 0R, 5%, 0.1W, 0603; Height: 0.55; Manufacturer_Name: KEMET; Mouser Part Number: 603-RC0603JR-070RL; Mouser Price/Stock: https://www.mouser.co.uk/ProductDetail/YAGEO/RC0603JR-070RL?qs=2cAdsCoAWRGWyPcuXgGiXQ%3D%3D
R41-R44 = -: Arrow Price/Stock: https://www.arrow.com/en/products/erj-3geyj471v/panasonic; Height: 0.55; Manufacturer_Name: Panasonic; Mouser Part Number: 667-ERJ-3GEYJ471V; Mouser Price/Stock: https://www.mouser.co.uk/ProductDetail/Panasonic/ERJ-3GEYJ471V?qs=4WZYzuGhm5rQomjycBISvQ%3D%3D
R45 = -: Description: Precision Thick Film Chip Resistor, 0603, 0.1W; Height: 0.55; Manufacturer_Name: Panasonic; Mouser Part Number: 667-ERJ-3EKF6650V; Mouser Price/Stock: https://www.mouser.co.uk/ProductDetail/Panasonic/ERJ-3EKF6650V?qs=iBwFsHVUAOdBVLCRXFB5%2Fg%3D%3D
R48 R104 R105 = -: Description: Thick Film Resistors - SMD 0805 5.76Kohms 1% AEC-Q200; Height: 0.55; Manufacturer_Name: Panasonic; Mouser Part Number: 667-ERJ-6ENF5761V; Mouser Price/Stock: https://www.mouser.co.uk/ProductDetail/Panasonic/ERJ-6ENF5761V?qs=50QC8w71jAsqu08%252B6O8pDA%3D%3D
